# Altium PCB CANOPi_Topboard.PcbDoc (part 2 of 2)
Units mm, origin at the board's own origin, x right, y up, seen from the top; angles counter-clockwise.
Board outline 84 x 56 mm, 4 copper layers (Top Layer, Int2 (Sign), Int3 (Sign), Bottom Layer), stack 1.624 mm thick; 113 components, 151 nets, 714 pads, 419 vias.
Unrouted connection lines stored in the file: 49.
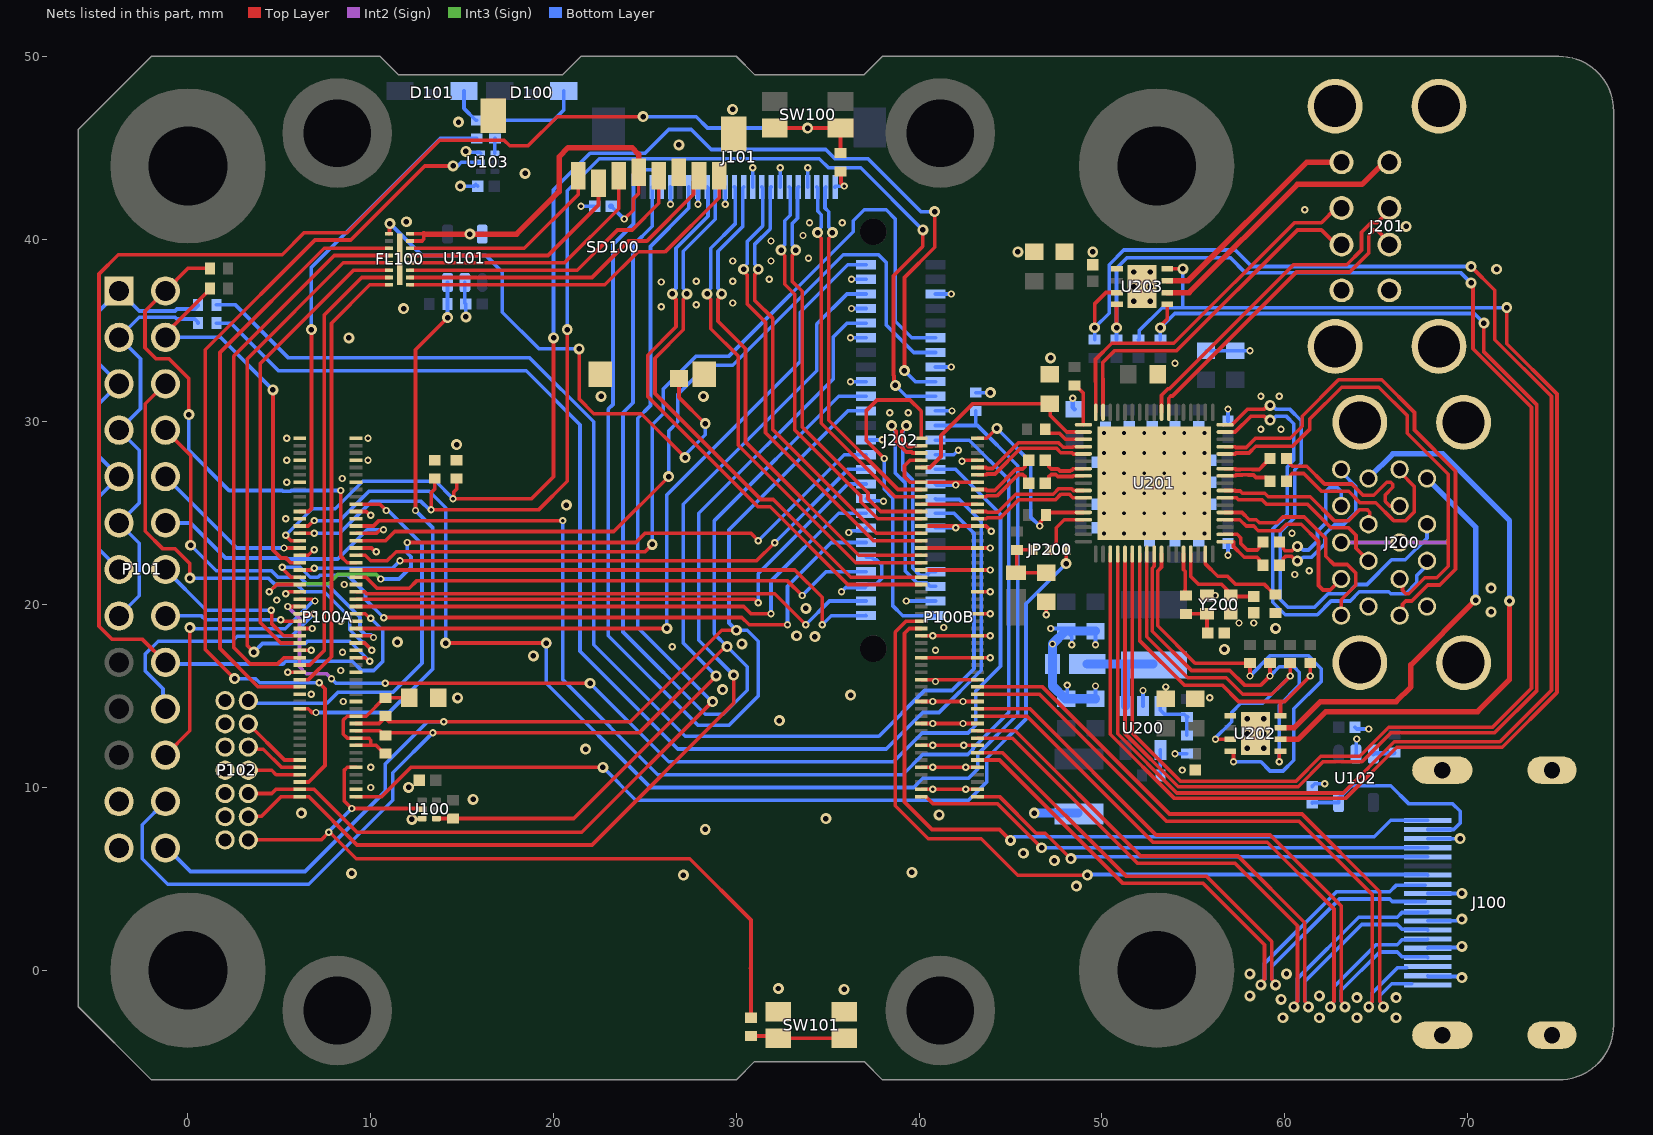
[diagram p4: the nets of this part, all layers, seen from the top]

## Via types
v1: diameter 0.4, hole 0.2, Top Layer to Bottom Layer, tented both sides, 209 vias
v2: diameter 0.6, hole 0.3, Top Layer to Bottom Layer, tented both sides, 162 vias
v3: diameter 0.5, hole 0.2, Top Layer to Bottom Layer, tented bottom, 20 vias
v4: diameter 0.5, hole 0.2, Top Layer to Bottom Layer, 16 vias
v5: diameter 0.6, hole 0.3, Top Layer to Bottom Layer, 12 vias

## Nets (pads, with @x,y where several pads share a name; then routed paths per layer and width w, separated by ;. In a path a pad name is that pad's centre, name@x,y a point inside that pad or via, vN(x,y) a via of type N, cw(c..) or ccw(c..) an arc to the next point about the centre after c; other vN are vias at no path point) (continued)
\EN1: R209.2 U201.44 U202.4 | length 25.4
  Top Layer w0.2: U201.44@53.263,22.77 53.263,22.06 53.05,21.847 53.05,18.85 55.1,16.8 R209.2@58.1,16.8 v1(58.1,16.1) ; U202.4@57.012,11.962 U202.4@57.025,11.975 57.15,11.975 57.2,11.925 v1(57.2,11.4)
  Bottom Layer w0.2: v1(57.2,11.4) 58.7,11.4 59.2,10.9 59.907,10.9 60.5,11.493 60.5,14.3 62,15.8 62,16.5 61.3,17.2 59.2,17.2 v1(58.1,16.1)
\EN2: R211.2 U201.42 U202.3 | length 21.5
  Top Layer w0.2: U201.42@52.463,22.77 52.463,22.136 52.45,22.123 52.45,18.25 54.7,16 56.8,16 57.7,15.1 59.3,15.1 v1(60.3,16.1) R211.2@60.3,16.8 ; v1(56.213,12.638) 57.012,12.638 U202.3@57.025,12.625
  Bottom Layer w0.2: v1@56.15,12.65 57.1,13.6 57.1,14.1 57.6,14.6 58.8,14.6 v1(60.3,16.1)
\EN3: R213.2 U201.40 U203.4 | length 83.8
  Top Layer w0.2: v2(50.8,35.15) 50.8,36.4 U203.4@50.825,36.425 ; U201.40@51.663,22.77 51.663,12.98 54.303,10.34 60.616,10.34 61.976,11.7 64.1,11.7 65.7,13.3 71.376,13.3 73.5,15.424 73.5,30.8 70.3,34 70.3,37.5 v2(70.2,37.6)
  Bottom Layer w0.2: R213.2@50.8,34.5 v2(50.8,35.15) 50.8,38.4 51.375,38.975 57.032,38.975 57.857,38.15 69.65,38.15 v2(70.2,37.6)
\EN4: R215.2 U201.38 U203.3 | length 90
  Top Layer w0.2: v2(49.6,35.15) 49.6,36.45 50.225,37.075 U203.3@50.825,37.075 ; U201.38@50.863,22.77 50.863,12.931 54.094,9.7 63.2,9.7 66,12.5 71.776,12.5 74.6,15.324 74.6,31.4 71.5,34.5 71.5,37.2 v2(70.2,38.5)
  Bottom Layer w0.2: R215.2@49.6,34.5 v2(49.6,35.15) 50.4,35.95 50.4,38.6 51.2,39.4 57.3,39.4 58.2,38.5 v2(70.2,38.5)
\OC1: R210.2 U201.43 U202.5 | length 20.7
  Top Layer w0.2: U201.43@52.863,22.77 52.863,22.112 52.75,21.999 52.75,18.55 54.9,16.4 57,16.4 57.8,15.6 58.7,15.6 v1(59.2,16.1) R210.2@59.2,16.8 ; v1(59.7,11.4) 59.7,11.9 U202.5@59.775,11.975
  Bottom Layer w0.2: v1(59.2,16.1) 59.7,16.6 60.507,16.6 60.8,16.307 60.8,15.6 59.7,14.5 v1(59.7,11.4)
\OC2: R212.2 U201.41 U202.8 | length 17.5
  Top Layer w0.2: U201.41@52.063,22.77 52.063,18.037 54.5,15.6 56.577,15.6 57.477,14.7 59.775,14.7 ; U202.8@59.775,13.925 59.775,14.7 ; R212.2@61.4,16.8 v1(61.4,16.1) 60,14.7 59.775,14.7
\OC3: R214.2 U201.39 U203.5 | length 77.5
  Top Layer w0.2: U201.39@51.263,22.77 51.263,12.956 54.179,10.04 60.74,10.04 62.1,11.4 64.224,11.4 65.824,13 71.5,13 73.8,15.3 73.8,30.924 70.9,33.824 v2(70.9,35.4) ; v2(53.2,35.15) 53.2,35.258 53.575,35.633 U203.5@53.575,36.425 U203.5@53.4,36.425
  Bottom Layer w0.2: R214.2@53.2,34.5 v2(53.2,35.15) 53.98,35.93 70.37,35.93 v2(70.9,35.4)
\OC4: R216.2 U201.37 U203.8 | length 84.5
  Top Layer w0.2: U201.37@50.463,22.77 50.463,12.907 53.97,9.4 63.324,9.4 66.124,12.2 71.9,12.2 74.9,15.2 74.9,31.524 72.15,34.275 v2(72.15,36.25) ; U203.8@53.575,38.375 v2(54.425,38.375)
  Bottom Layer w0.2: R216.2@52,34.5 52.05,34.5 52.05,35 53.3,36.25 54.425,36.25 ; v2(54.425,38.375) 54.425,36.25 ; v2(72.15,36.25) 54.425,36.25
\PONRST: JP200.1 U201.31 | length 3
  Top Layer w0.2: JP200.1@47.15,23 47.15,23.05 47.5,23.4 47.5,24.207 47.938,24.645 U201.31@48.988,24.645
\RESET_STN: J202.39 P100A.34 | length 50.8
  Top Layer w0.2: P100A.34@9.362,22.7 9.7,22.7 10,22.4 10.893,22.4 11.393,22.9 25,22.9 v2(25.4,23.3)
  Bottom Layer w0.2: v2(25.4,23.3) 25.4,29.849 26,30.449 26,31.8 27.8,33.6 29.6,33.6 36.4,40.4 36.4,41 37,41.6 38.2,41.6 38.7,41.1 38.7,35.5 39.6,34.6 J202.39@40.9,34.6
\SLEEP_STN: J202.37 P100A.30 | length 44.7
  Top Layer w0.2: P100A.30@9.2,23.5 10.807,23.5 11.307,24 23.3,24 v2(26.3,27)
  Bottom Layer w0.2: v2(26.3,27) 26.3,29.5 26.8,30 26.8,31.5 28.4,33.1 29.8,33.1 35.85,39.15 37.774,39.15 38.2,38.724 38.2,35.3 39.7,33.8 J202.37@40.9,33.8
BT_nDisable: P100A.91 P102.6 | length 3.3
  Top Layer w0.2: P102.6@3.3,12.21 3.421,12.089 4.125,12.089 5.114,11.1 P100A.91@6.11,11.1
CAM1_C_N: J101.15 P100B.27 | length 24.7
  Top Layer w0.2: v2(31.2,38.35) 31.2,38.242 31,38.042 31,36.65 32,35.65 32,29.566 37.666,23.9 P100B.27@40.11,23.9
  Bottom Layer w0.2: v2(31.2,38.35) 31.2,38.458 31,38.658 31,39.707 31.85,40.557 31.85,42.2 31.85,42.8 J101.15@31.9,42.85
CAM1_C_P: J101.14 P100B.29 | length 25.4
  Top Layer w0.2: v2(30.4,38.35) 30.4,38.242 30.6,38.042 30.6,36.45 31.6,35.45 31.6,29.4 37.5,23.5 39.86,23.5 P100B.29@40.11,23.5
  Bottom Layer w0.2: v2(30.4,38.35) 30.4,38.458 30.6,38.658 30.6,39.873 31.45,40.723 31.45,42.8 J101.14@31.4,42.85
CAM1_D0_N: J101.21 P100B.15 | length 19.7
  Top Layer w0.2: v2(35.25,40.35) 35.25,40.242 35.05,40.042 35.05,30.096 38.846,26.3 P100B.15@40.11,26.3
  Bottom Layer w0.2: J101.21@34.9,42.85 34.85,42.8 34.85,41.7 35.05,41.5 35.05,40.658 35.25,40.458 v2(35.25,40.35)
CAM1_D0_P: J101.20 P100B.17 | length 20.3
  Top Layer w0.2: v2(34.45,40.35) 34.45,40.242 34.65,40.042 34.65,29.93 38.68,25.9 39.86,25.9 P100B.17@40.11,25.9
  Bottom Layer w0.2: J101.20@34.4,42.85 34.45,42.8 34.45,41.534 34.65,41.334 34.65,40.658 34.45,40.458 v2(34.45,40.35)
CAM1_D1_N: J101.18 P100B.21 | length 22.3
  Top Layer w0.2: v2(33.25,39.4) 33.25,39.292 33.05,39.092 33.05,37.7 33.6,37.15 33.6,29.716 37.2,26.116 37.2,25.793 37.843,25.15 37.85,25.15 37.9,25.1 P100B.21@40.11,25.1
  Bottom Layer w0.2: v2(33.25,39.4) 33.25,39.508 33.05,39.708 33.05,40.834 33.35,41.134 33.35,42.2 33.35,42.8 J101.18@33.4,42.85
CAM1_D1_P: J101.17 P100B.23 | length 22.9
  Top Layer w0.2: v2(32.45,39.4) 32.45,39.292 32.65,39.092 32.65,37.534 33.2,36.984 33.2,29.55 36.8,25.95 36.8,25.627 37.677,24.75 37.684,24.75 37.734,24.7 39.86,24.7 P100B.23@40.11,24.7
  Bottom Layer w0.2: v2(32.45,39.4) 32.45,39.508 32.65,39.708 32.65,41 32.95,41.3 32.95,42.8 J101.17@32.9,42.85
CAM1_D2_N: J101.12 P100B.33 | length 27.5
  Top Layer w0.2: v2(29.2,37) 29.2,36.892 29,36.692 29,35.5 30.5,34 30.5,28.893 36.693,22.7 P100B.33@40.11,22.7
  Bottom Layer w0.2: v2(29.2,37) 29.2,37.108 29,37.308 29,39.334 30.35,40.684 30.35,42.8 J101.12@30.4,42.85
CAM1_D2_P: J101.11 P100B.35 | length 28.2
  Top Layer w0.2: v2(28.4,37) 28.4,36.892 28.6,36.692 28.6,35.1 30.1,33.6 30.1,28.727 36.527,22.3 39.86,22.3 P100B.35@40.11,22.3
  Bottom Layer w0.2: v2(28.4,37) 28.4,37.108 28.6,37.308 28.6,39.5 29.95,40.85 29.95,42.8 J101.11@29.9,42.85
CAM1_D3_N: J101.9 P100B.39 | length 31.6
  Top Layer w0.2: v2(27.3,37) 27.3,36.892 27.1,36.692 27.1,35.034 25.55,33.484 25.55,31.55 31.35,25.75 32.016,25.75 36.266,21.5 P100B.39@40.11,21.5
  Bottom Layer w0.2: v2(27.3,37) 27.3,37.108 27.1,37.308 27.1,39.334 28.85,41.084 28.85,42.8 J101.9@28.9,42.85
CAM1_D3_P: J101.8 P100B.41 | length 32.2
  Top Layer w0.2: v2(26.5,37) 26.5,36.892 26.7,36.692 26.7,35.2 25.15,33.65 25.15,31.384 31.184,25.35 31.85,25.35 36.1,21.1 39.86,21.1 P100B.41@40.11,21.1
  Bottom Layer w0.2: v2(26.5,37) 26.5,37.108 26.7,37.308 26.7,39.5 28.45,41.25 28.45,42.8 J101.8@28.4,42.85
Camera_GPIO: J101.6 P100A.97 P102.10 | length 60.5
  Top Layer w0.2: P102.10@3.3,9.67 4.585,9.67 4.815,9.9 6.11,9.9 6.9,9.9 9.25,7.55 21.55,7.55 v2(28.7,14.7)
  Bottom Layer w0.2: J101.6@27.4,42.85 27.4,41.7 25.3,39.6 25.3,30.9 24.6,30.2 24.6,18.75 28.65,14.7 v2(28.7,14.7)
CLK_EX: FL100.11 SD100.5 | length 16.6
  Top Layer w0.2: FL100.11@12.15,38.3 21.3,38.3 23.5,40.5 24.3,40.5 25.76,41.96 SD100.5@25.76,43.46
CMD_EX: FL100.12 SD100.3 | length 14.4
  Top Layer w0.2: FL100.12@12.15,38.7 20.6,38.7 23.56,41.66 SD100.3@23.56,43.46
DAT0_EX: FL100.10 SD100.7 | length 18.5
  Top Layer w0.2: FL100.10@12.15,37.9 22.1,37.9 24.1,39.9 25.107,39.9 27.66,42.453 27.66,43.16 SD100.7@27.96,43.46
DAT1_EX: FL100.9 SD100.8 | length 20.1
  Top Layer w0.2: FL100.9@12.15,37.5 22.8,37.5 24.6,39.3 26.093,39.3 29.06,42.267 SD100.8@29.06,43.46
DAT2_EX: FL100.14 SD100.1 | length 11.4
  Top Layer w0.2: FL100.14@12.15,39.5 18.4,39.5 21.36,42.46 SD100.1@21.36,43.46
DAT3_EX: FL100.13 SD100.2 | length 12.7
  Top Layer w0.2: FL100.13@12.15,39.1 19.7,39.1 22.46,41.86 SD100.2@22.46,43.06
DPR_SUPPORT_LTE: J202.27 P100A.25 R100.1 | length 74.5
  Top Layer w0.2: P100A.25@6.12,24.3 6.584,24.3 6.884,24.6 v1(6.9,24.6) ; v2(14.1,17.9) v2(19.6,17.9)
  Bottom Layer w0.2: v1(6.9,24.6) 8.3,24.6 9.9,26.2 13.2,26.2 14.1,25.3 v2(14.1,17.9) ; v2@19.8,17.9 19.6,17.7 19.6,15.7 25.3,10 39.7,10 40.2,10.5 42.7,10.5 43.2,11 43.2,11.8 45.4,14 45.4,27.6 43.2,29.8 ; J202.27@40.9,29.8 43.2,29.8 ; R100.1@43.1,30.6 43.1,29.9 43.2,29.8
EEPROM_nWP: P100A.20 P102.2 | length 21.5
  Top Layer w0.2: P100A.20@9.2,25.5 10.5,25.5 v1(10.85,25.15)
  Bottom Layer w0.2: P102.2@3.3,14.75 3.45,14.6 7.6,14.6 8.2,15.2 9.523,15.2 11.2,15.2 12.8,16.8 12.8,23.307 10.957,25.15 v1(10.85,25.15)
FAN: J202.24 P100A.41 | length 39.2
  Top Layer w0.2: v1(4.45,20.7) 4.85,21.1 6.11,21.1 P100A.41@6.12,21.1 ; v1(12,23.4) 24.5,23.4 25,23.9 30.8,23.9 v1(31.2,23.5)
  Int3 (Sign) w0.2: v1(4.45,20.7) 4.9,21.15 7.7,21.15 8.2,21.65 10.3,21.65 v1(10.55,21.4)
  Bottom Layer w0.2: v1(10.55,21.4) 11.55,21.4 12.2,22.05 12.2,22.619 12,22.819 v1(12,23.4) ; v1(31.2,23.5) 35.9,28.2 J202.24@37.1,28.2
FEEDBACK: R200.2 R202.2 U200.3 | length 2.9
  Bottom Layer w0.2: U200.3@53.2,14.45 53.2,14.225 53.425,14 54.5,14 R200.2@54.65,13.85 ; R202.2@54.65,12.85 R200.2@54.65,13.85 ; R200.2@54.7,13.85 R200.2@54.65,13.85
FULL_CARD_POWER_OFF_LTE: J202.33 P100A.29 R102.1 | length 70
  Top Layer w0.2: v1(5.35,23.8) 5.35,23.786 5.636,23.5 P100A.29@6.11,23.5 ; R102.1@14.7,26.9 14.7,26.325 14.538,26.163 14.538,25.838 v1(14.5,25.8) 18.8,25.8 20,27 v2(20,34.6) ; v2(39.2,32.8) 39.2,37.9 40.85,39.55 v2(40.85,41.5)
  Bottom Layer w0.2: v1(5.35,23.8) 6.8,25.25 8.057,25.25 9.557,26.75 13.55,26.75 v1(14.5,25.8) ; v2(20,34.6) 20,42.7 22,44.7 25,44.7 26.3,46 27.533,46 28.633,44.9 34.897,44.9 35.397,44.4 37.2,44.4 40.1,41.5 v2(40.85,41.5) ; v2(39.2,32.8) 39.8,32.2 J202.33@40.9,32.2
GLOBAL_EN: J202.42 P100A.99 P102.12 | length 57.3
  Top Layer w0.2: P102.12@3.3,8.4 3.325,8.425 4.025,8.425 5.1,9.5 5.47,9.5 6.11,9.5 6.6,9.5 9.25,6.85 22.1,6.85 29.85,14.6 v2(29.85,16.15)
  Bottom Layer w0.2: v2(29.85,16.15) 27.95,18.05 27.95,25 35.3,32.35 35.3,34.65 36.05,35.4 J202.42@37.1,35.4
GND: C100.2 C101.1 C102.1 C103.1 C104.1 C105.1 C106.1 C200.2 C201.2 C202.2 C203.2 C204.2 C205.2 C206.2 C207.2 C208.2 C209.2 C210.2 C211.2 C212.2 C213.2 C214.2 C215.2 C216.2 C217.2 C218.2 C219.2 C220.2 C221.2 C224.2 C229.1 C230.1 C231.2 C232.2 C233.2 C234.1 C235.2 C236.2 C237.2 C238.2 C239.2 C240.2 D200.2 FL100.17 J100.2 J100.5 J100.8 J100.11 J100.17 J100.Shell J101.4 J101.7 J101.10 J101.13 J101.16 J101.19 J101.22 J200.4 J200.7 J200.13 J200.16 J200.19 J201.4 J201.8 J201.9 J202.3 J202.6 J202.10 J202.13 J202.14 J202.18 J202.19 J202.23 J202.26 J202.29 J202.34 J202.35 J202.40 J202.44 J202.45 J202.48 P100A.1 P100A.2 P100A.7 P100A.8 P100A.13 P100A.14 P100A.22 P100A.23 P100A.32 P100A.33 P100A.42 P100A.43 P100A.52 P100A.53 P100A.59 P100A.60 P100A.65 P100A.66 P100A.71 P100A.74 P100A.98 P100B.7 P100B.8 P100B.13 P100B.14 P100B.19 P100B.20 P100B.25 P100B.26 P100B.31 P100B.32 P100B.37 P100B.38 P100B.44 P100B.50 P100B.55 P100B.56 P100B.61 P100B.62 P100B.67 P100B.68 P100B.73 P100B.74 P100B.79 P100B.80 P100B.85 P100B.86 P100B.91 P100B.92 P100B.97 P100B.98 P101.23 P101.25 P102.1 P102.3 P102.5 P102.7 P102.9 P102.11 P102.13 R100.2 R101.2 R102.2 R112.2 R202.1 R206.1 SD100.6 SD100.10 SD100.11 SD100.12 SD100.13 SW101.1 SW101.1' U100.3 U101.2 U102.2 U103.3 U200.2 U201.69 U202.1 U202.9 U203.1 U203.9 Y200.2 Y200.4 | length 130.1
  Top Layer w0.2: v1(5.35,20.6) 5.404,20.6 5.504,20.7 P100A.43@6.11,20.7 ; v1(5.45,16.3) P100A.65@6.11,16.3 ; P100A.59@6.11,17.5 v1(6.75,17.5) ; P100A.53@6.11,18.7 v1(6.8,18.7) ; P100A.33@6.11,22.7 6.584,22.7 6.884,23 v1(6.9,23) ; P100A.32@9.19,23.1 10.046,23.1 10.246,22.9 v1(10.3,22.9) ; P100A.22@9.19,25.1 9.746,25.1 9.946,24.9 v1(10,24.9) ; R112.2@35.7,43.7 35.725,43.7 35.725,43.075 v1(35.9,42.9) ; P100B.97@40.11,9.9 v1(40.75,9.9) v1(42.55,9.9) P100B.98@43.19,9.9 ; P100B.91@40.11,11.1 v1(40.75,11.1) v1(42.55,11.1) P100B.92@43.19,11.1 ; P100B.85@40.11,12.3 v1(40.75,12.3) v1(42.45,12.3) P100B.86@43.19,12.3 ; P100B.79@40.11,13.5 v1(40.75,13.5) v1(42.4,13.5) P100B.80@43.19,13.5 ; P100B.73@40.11,14.7 v1(40.75,14.7) v1(42.4,14.7) P100B.74@43.19,14.7 ; P100B.67@40.11,15.9 40.9,15.9 P100B.68@43.19,15.9 ; P100B.61@40.11,17.1 43.19,17.1 v1(43.9,17.1) ; P100B.55@40.11,18.3 v1(40.75,18.3) 43.19,18.3 v1(43.9,18.3) ; P100B.37@40.11,21.9 43.19,21.9 v1(43.9,21.9) ; P100B.31@40.11,23.1 43.19,23.1 v1(43.9,23.1) ; P100B.25@40.11,24.3 42,24.3 42.054,24.3 v1@42.154,24.3 ; P100B.19@40.11,25.5 P100B.20@43.19,25.5 ; P100B.7@40.11,27.9 39.5,27.9 39.2,27.6 39.2,27 39.5,26.7 40.11,26.7 42.204,26.7 ; v1(42,24.2) 42.054,24.2 v1@42.154,24.3 ; v1(42,26.55) 42.054,26.55 42.204,26.7 ; v1(42.35,27.85) 42.404,27.85 42.454,27.9 P100B.8@43.19,27.9 ; P100B.50@43.19,19.5 v1(43.9,19.5) ; P100B.44@43.19,20.7 v1(43.9,20.7) ; P100B.14@43.19,26.7 42.204,26.7 ; v1(43.95,24.014) 43.664,24.3 43.19,24.3 v1@42.154,24.3 ; v1(46.95,19.45) C238.2@46.95,20.15
  Int2 (Sign) w0.2: J200.16@63.09,23.4 J200.7@66.29,23.4 68.9,23.4
  Int3 (Sign) w0.2: J200.16@63.09,23.4 J200.7@66.29,23.4 68.8,23.4 68.9,23.5
  Bottom Layer w0.2: v2(14.9,42.9) 15.65,42.9 15.75,43 C106.1@15.85,42.9 ; U101.2@15.15,37.625 15.15,36.5 C102.1@15.2,36.45 v2(15.2,35.75) ; v2(15.2,44.8) 15.25,44.75 15.965,44.75 U103.3@16.015,44.7 ; v1(21.5,41.8) C101.1@22.25,41.8 ; v1(26.4,41.9) J101.4@26.4,42.85 ; v1(27.9,41.9) J101.7@27.9,42.85 ; v1(29.4,41.9) J101.10@29.4,42.85 ; J101.13@30.9,42.85 v1(30.9,43.9) ; J101.16@32.4,42.85 v1(32.4,43.9) ; J101.19@33.9,42.85 v1(33.9,43.9) ; J101.22@35.4,42.85 35.45,42.9 v1(35.9,42.9) ; v1(35.75,20.7) 35.988,20.938 37.038,20.938 J202.6@37.1,21 37.25,21.15 37.674,21.15 37.95,21.426 37.95,22.174 37.674,22.45 37.55,22.45 37.4,22.6 J202.10@37.1,22.6 ; v1(36.15,23.95) 36.204,23.95 36.304,24.05 36.95,24.05 J202.14@37.1,24.2 ; v1(36.25,32.2) J202.34@37.1,32.2 ; v1(36.25,34.6) J202.40@37.1,34.6 ; v1(36.3,36.2) J202.44@37.1,36.2 ; v1(36.3,37.8) J202.48@37.1,37.8 ; J202.18@37.1,25.8 37.212,25.688 38.012,25.688 v1(38.05,25.65) ; J202.26@37.1,29 37.112,29.012 37.962,29.012 v1(37.975,29.025) ; v1(39.3,20.2) J202.3@40.9,20.2 ; J202.13@40.9,24.2 v1(42,24.2) ; J202.19@40.9,26.6 40.95,26.55 v1(42,26.55) ; J202.23@40.9,28.2 41.9,28.2 v1(42.15,28.45) ; J202.29@40.9,30.6 v1(41.8,30.6) ; J202.35@40.9,33 v1(41.754,33) ; J202.45@40.9,37 v1(41.754,37) ; R100.2@43.1,31.6 v2(43.9,31.6) ; v1(47.2,18.7) 47.9,18.7 C213.2@48.05,18.55 48.35,18.25 v1(48.35,17.8) ; C209.2@48.05,14.85 48.1,14.9 v1(48.1,15.6) ; C210.2@49.65,14.85 v1(49.65,15.55) ; v1(49.65,17.8) C214.2@49.65,18.55 ; U200.2@52.25,14.45 v1(52.25,15.3) ; v1(54,11.85) R202.1@54.65,11.85 ; C212.2@55.7,33.9 C211.2@57.3,33.9 v1(58.1,33.9) ; v1(56.9,22.7) C233.2@56.9,23.35 ; C205.2@56.9,30.05 v1(56.9,30.7) ; C104.1@61.5,10.05 61.65,10.2 v1(62.2,10.2) ; C103.1@63.85,13.3 63.95,13.2 v1(64.6,13.2) ; U102.2@63.9,11.825 63.925,11.85 63.925,12.625 v1(63.95,12.65) ; J100.2@67.825,-0.3 67.865,-0.34 69.64,-0.34 v2(69.7,-0.4) ; J100.5@67.825,1.2 67.865,1.24 69.64,1.24 v2(69.7,1.3) ; J100.8@67.825,2.7 68.315,2.7 69.415,2.7 69.515,2.8 v2(69.7,2.8) ; J100.11@67.825,4.2 68.313,4.2 v2(69.7,4.2) ; J100.17@67.825,7.2 v2(69.6,7.2)
  Bottom Layer w0.254: C209.2@48,14.85 C209.2@48.05,14.85 ; C213.2@48,18.55 C213.2@48.05,18.55 ; v1(48.4,31.3) 48.4,30.8 C200.2@48.5,30.7 ; C234.1@48.7,8.6 C234.1@48.75,8.55
  Bottom Layer w0.5: v2(46.3,8.6) C234.1@48.7,8.6 ; C209.2@48,14.85 47.3,15.55 D200.2@47.3,16.75 v1(47.3,17.85) C213.2@48,18.55 ; C209.2@48.05,14.85 C210.2@49.65,14.85 ; C213.2@48.05,18.55 C214.2@49.65,18.55
  other v1: 10,10 54.4,10.95 10,11.1 8.5,14.7 55.9,14.9 6.75,15.1 53.5,15.5 40.9,15.8 8.35,16.4 8.45,17.4 40.9,17.5 26.5,17.7 41.35,18.75 57.5,19 58.3,19 8.35,19.1 4.85,20.25 56.2,20.5 8.55,21.1 60.55,21.65 61.35,21.85 60.4,23.9 5.35,24.7 5.4,26.7 8.44,26.9 5.4,27.9 9.85,27.9 5.4,29.1 9.85,29.1 58.7,29.6 59.8,29.6 38.4,30.5 39.4,30.5 58.7,31.4 59.7,31.4 54,33.2 25.9,36.3 27.8,36.4 29.8,36.5 25.9,37.65 27.8,37.7 29.8,37.7 31.8,37.8 29.8,38.8 31.9,38.8 33.95,38.95 31.9,39.9 33.65,40.2 34,40.9 35.8,40.9 61.1,41.6
  other v2: 59.9,-2.6 61.9,-2.6 63.95,-2.6 66.1,-2.6 59.8,-1.6 63.95,-1.5 66.1,-1.5 58.1,-1.4 61.9,-1.4 35.9,-1.05 32.3,-1 58.1,-0.2 60.1,-0.2 48.6,4.6 27.1,5.2 8.95,5.3 39.6,5.35 47.4,6 45.7,6.4 28.3,7.7 12.25,8.25 34.9,8.3 41.1,8.5 6.2,8.6 15.6,9.35 12.075,10 21.75,12.1 32.35,13.65 14.75,14.9 36.25,15.05 29.25,15.35 18.9,17.2 56.7,17.55 30.3,17.85 11.45,17.95 34.3,18.25 33.3,18.3 59.5,18.7 71.3,19.6 33.8,19.8 71.3,20.9 20.7,25.45 14.7,28.75 22.6,31.4 28.2,31.4 47.2,33.5 8.8,34.6 11.8,36.2 71.6,38.35 45.4,39.3 49.5,39.3 66.65,40.7 11.95,40.95 18.45,43.6 26.86,45.16 14.8,46.4 29.8,47.1
  other v3: 50.113,23.895 51.213,23.895 52.313,23.895 53.413,23.895 54.513,23.895 55.613,23.895 50.113,24.995 55.613,24.995 50.113,26.095 55.613,26.095 50.113,27.195 55.613,27.195 50.113,28.295 55.613,28.295 50.113,29.395 51.213,29.395 52.313,29.395 53.413,29.395 54.513,29.395 55.613,29.395
  other v4: 51.213,24.995 52.313,24.995 53.413,24.995 54.513,24.995 51.213,26.095 52.313,26.095 53.413,26.095 54.513,26.095 51.213,27.195 52.313,27.195 53.413,27.195 54.513,27.195 51.213,28.295 52.313,28.295 53.413,28.295 54.513,28.295
  other v5: 57.95,12.15 58.85,12.15 57.95,12.95 58.85,12.95 57.95,13.75 58.85,13.75 51.75,36.6 52.65,36.6 51.75,37.4 52.65,37.4 51.75,38.2 52.65,38.2
GPIO0: P100A.36 P101.2 R103.1 | length 27.4
  Top Layer w0.2: v2(0.05,30.4) 0.05,32.36 -1.04,33.45 -1.75,33.45 -2.35,34.05 -2.35,36.046 P101.2@-1.231,37.165 0.004,38.4 R103.1@1.2,38.4 ; v1(8.35,26.25) 8.35,22.666 8.716,22.3 P100A.36@9.19,22.3
  Bottom Layer w0.2: v2(0.05,30.4) 0.05,28.45 2.25,26.25 5.143,26.25 5.193,26.2 5.607,26.2 5.657,26.25 v1(8.35,26.25)
GPIO1: P100A.35 P101.4 R104.1 | length 21.3
  Top Layer w0.2: P101.4@-1.231,34.625 -1.231,34.819 1.2,37.25 R104.1@1.2,37.3 ; v2(4.65,31.75) 4.65,22.993 5.093,22.55 5.357,22.55 5.607,22.3 P100A.35@6.12,22.3
  Bottom Layer w0.2: P101.4@-1.231,34.625 1.775,34.625 v2(4.65,31.75)
GPIO2: P100A.58 P101.6 | length 25.5
  Top Layer w0.2: P101.6@-1.231,32.085 -2.331,30.985 -2.331,24.009 -1.372,23.05 -0.7,23.05 0.1,22.25 v2(0.1,21.45) ; P100A.58@9.2,17.9 9.664,17.9 10.05,17.514 v1(10.05,17.5)
  Bottom Layer w0.2: v2(0.1,21.45) 4.407,21.45 4.757,21.1 5.962,21.1 6.362,20.7 7.457,20.7 8.85,19.307 8.85,18.634 9.546,17.938 9.612,17.938 v1(10.05,17.5)
GPIO3: P100A.56 P101.8 | length 20.5
  Top Layer w0.2: P101.8@-1.231,29.545 0.15,28.164 v2(0.15,23.25) ; P100A.56@9.2,18.3 9.996,18.3 10.096,18.2 v1(10.15,18.2)
  Bottom Layer w0.2: P101.8@-1.347,29.429 P101.8@-1.231,29.545 ; v2(0.15,23.25) 1.55,21.85 4.573,21.85 4.923,21.5 6.127,21.5 6.527,21.1 7.623,21.1 9.411,19.311 9.411,18.639 9.712,18.338 10.012,18.338 v1(10.15,18.2)
GPIO12: P100A.31 P101.10 | length 9
  Top Layer w0.2: v1(5.25,23.1) P100A.31@6.12,23.1
  Bottom Layer w0.2: P101.10@-1.231,27.005 2.674,23.1 v1(5.25,23.1)
GPIO13: P100A.28 P101.12 | length 15
  Top Layer w0.2: P100A.28@9.2,23.9 10.312,23.9 10.512,24.1 v1(10.7,24.1)
  Bottom Layer w0.2: P101.12@-1.231,24.465 0.135,24.465 2.05,22.55 5.357,22.55 5.407,22.5 8.2,22.5 9.8,24.1 v1(10.7,24.1)
GPIO14: P100A.55 P101.14 | length 9.3
  Top Layer w0.2: v1(4.55,19.7) 4.575,19.675 4.575,18.968 5.243,18.3 P100A.55@6.12,18.3
  Bottom Layer w0.2: P101.14@-1.231,21.925 0.994,19.7 v1(4.55,19.7)
GPIO15: P100A.51 P101.16 | length 7.5
  Top Layer w0.2: v1(5.075,19.175) 5.15,19.1 P100A.51@6.12,19.1
  Bottom Layer w0.2: P101.16@-1.231,19.385 0.743,19.385 0.953,19.175 v1(5.075,19.175)
GPIO17: P100A.50 P101.18 R112.1 SW100.1 SW100.1' | length 87.6
  Top Layer w0.2: P101.18@-1.231,16.845 -2.486,18.1 -4.15,18.1 -4.871,18.821 -4.871,38.089 -3.81,39.15 5.15,39.15 6.35,40.35 8.7,40.35 13.75,45.4 17.3,45.4 17.6,45.1 18.6,45.1 20.2,46.7 v2(24.9,46.7) ; P100A.50@9.2,19.5 9.696,19.5 9.946,19.25 v1(10,19.25) ; SW100.1'@32.025,46 SW100.1'@32.1,46.075 v2(33.9,46.075) SW100.1@35.7,46.075 R112.1@35.7,44.7
  Bottom Layer w0.2: P101.18@-1.231,16.845 -1.136,16.75 4.399,16.75 5.193,16.75 5.343,16.9 8.99,16.9 9.49,16.4 10.157,16.4 10.65,16.893 10.65,18.6 v1(10,19.25) ; v2(24.9,46.7) 27.8,46.7 28.425,46.075 v2(33.9,46.075)
GPIO18: P100A.49 P101.20 | length 14.4
  Top Layer w0.2: P100A.49@6.12,19.5 v1(6.9,19.5)
  Bottom Layer w0.2: P101.20@-1.231,14.305 -1.369,14.443 -1.369,15.405 -2.331,16.367 -2.331,17.301 -1.632,18 2.421,18 2.696,18.275 5.668,18.275 6.893,19.5 v1(6.9,19.5)
GPIO24: P100A.45 P101.22 | length 15.9
  Top Layer w0.2: P101.22@-1.231,11.765 0.1,13.096 v2(0.1,18.75) ; P100A.45@6.12,20.3 6.796,20.3 6.896,20.2 v1(6.95,20.2)
  Bottom Layer w0.2: v2(0.1,18.75) 0.175,18.675 5.325,18.675 6.85,20.2 v1(6.95,20.2)
GPIO26: P100A.24
GPIO_VREF: C100.1 P100A.78 P100A.84 P100A.86 R105.2 R106.2 | length 8.6
  Top Layer w0.2: P100A.86@9.19,12.3 10,12.3 ; R106.2@10.8,11.85 10.75,11.85 10.3,12.3 10,12.3 ; C100.1@12.1,14.9 10.75,14.9 9.75,13.9 9.19,13.9 8.716,13.9 8.5,13.684 8.5,12.916 8.716,12.7 9.19,12.7 9.883,12.7 10,12.583 10,12.3
HDMI0_CEC: J100.13 P100B.51 | length 41.9
  Top Layer w0.2: P100B.51@40.12,19.1 40.11,19.1 39.3,19.1 38.7,18.5 38.7,9 40.5,7.2 43.4,7.2 45.4,5.2 v2(49.2,5.2)
  Bottom Layer w0.2: v2(49.2,5.2) 49.24,5.24 67.785,5.24 J100.13@67.825,5.2
HDMI0_CK_N: J100.12 P100B.90 | length 34
  Top Layer w0.2: P100B.90@43.19,11.5 44.4,11.5 51.15,4.75 55.55,4.75 58.9,1.4 58.9,-0.492 58.7,-0.692 v2(58.7,-0.8)
  Bottom Layer w0.2: v2(58.7,-0.8) 58.7,-0.692 58.9,-0.492 58.9,0.366 62.834,4.3 65.745,4.3 66.085,4.64 J100.12@67.7,4.64
HDMI0_CK_P: J100.10 P100B.88 | length 33.9
  Top Layer w0.2: P100B.88@43.19,11.9 44.566,11.9 51.316,5.15 55.716,5.15 59.3,1.566 59.3,-0.492 59.5,-0.692 v2(59.5,-0.8)
  Bottom Layer w0.2: v2(59.5,-0.8) 59.5,-0.692 59.3,-0.492 59.3,0.2 63,3.9 65.745,3.9 65.885,3.76 J100.10@67.7,3.76
HDMI0_D0_N: J100.9 P100B.84 | length 36.5
  Top Layer w0.2: P100B.84@43.19,12.7 45.1,12.7 51.95,5.85 57.284,5.85 60.7,2.434 60.7,-1.692 60.5,-1.892 v2(60.5,-2)